# Altium PCB A540R260_Arm600Prototype.PcbDoc (part 1 of 2)
Units mil, origin at the board's own origin, x right, y up, seen from the top; angles counter-clockwise.
Board outline 6306 x 2370 mil, 4 copper layers (Top Layer, 5V, GND, Bottom Layer), stack 68.548 mil thick; 114 components, 208 nets, 616 pads, 195 vias.
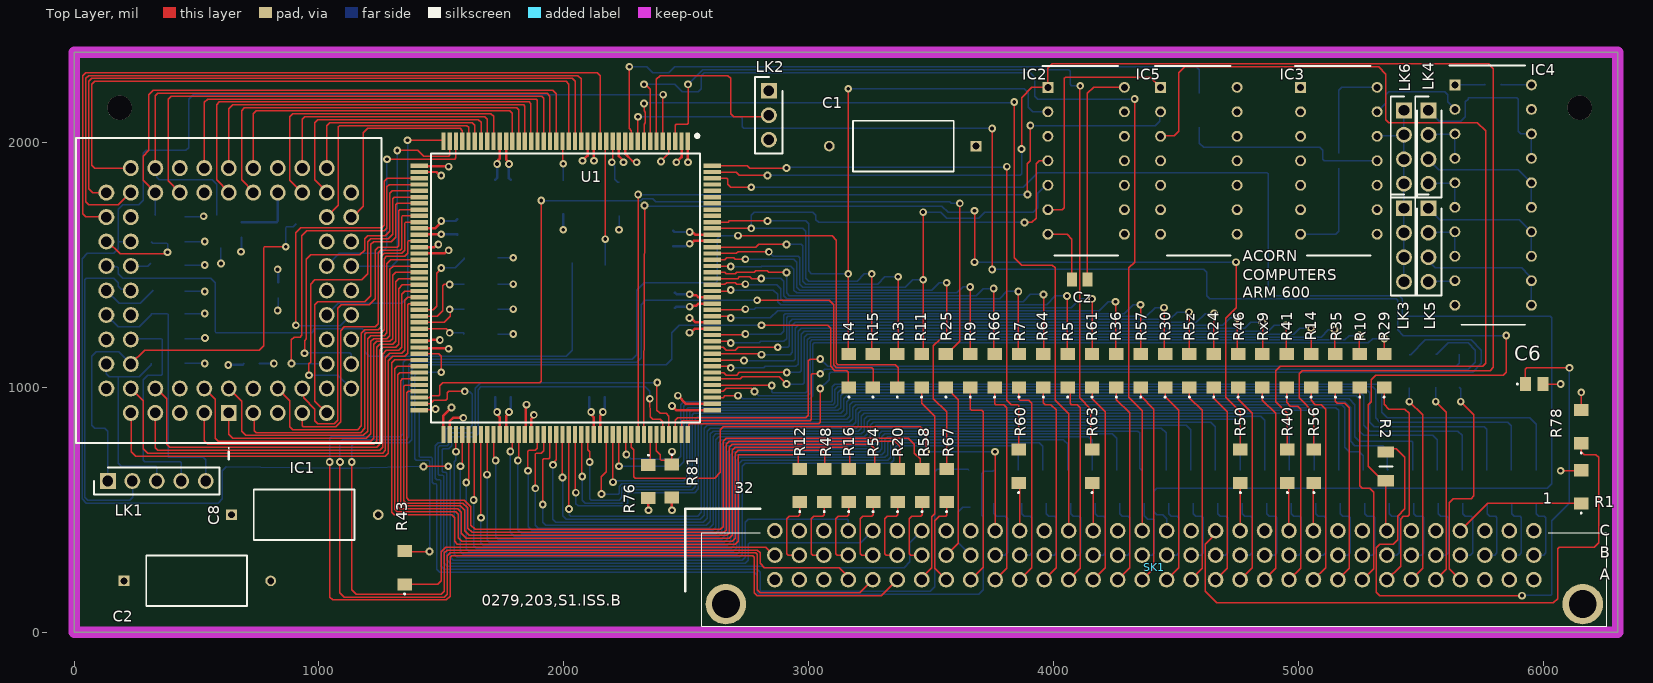
[diagram p0: Top Layer view]
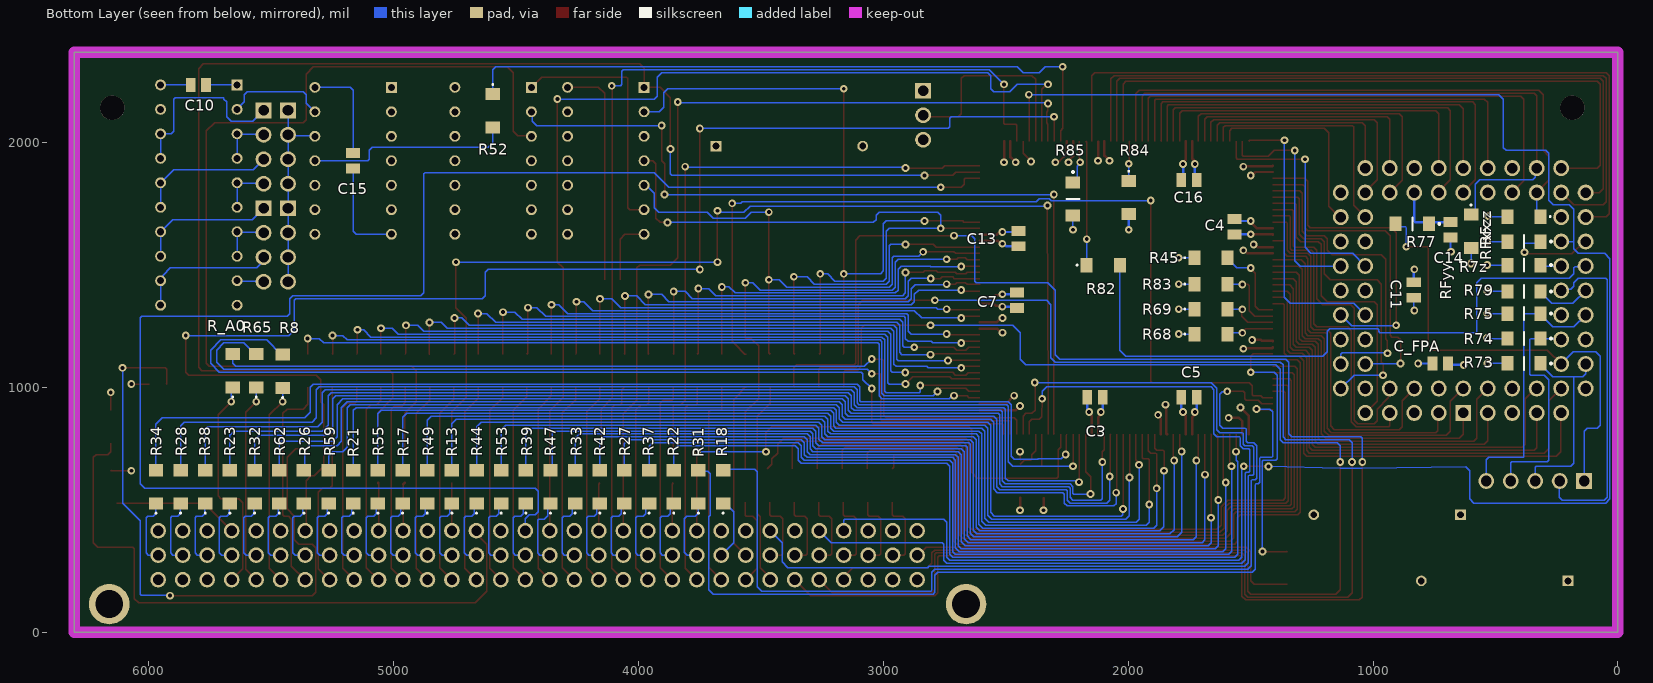
[diagram p1: Bottom Layer view, seen from below]
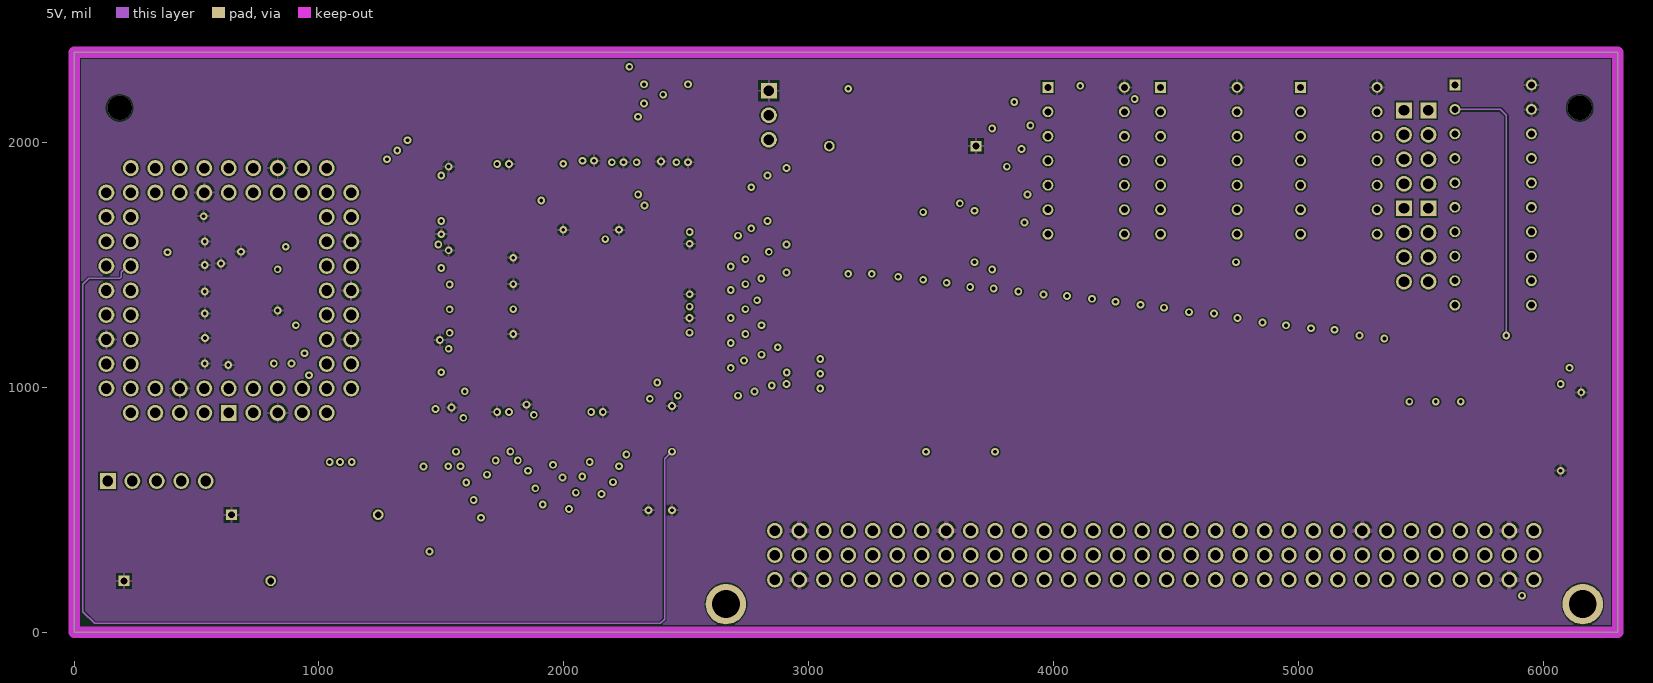
[diagram p2: 5V]
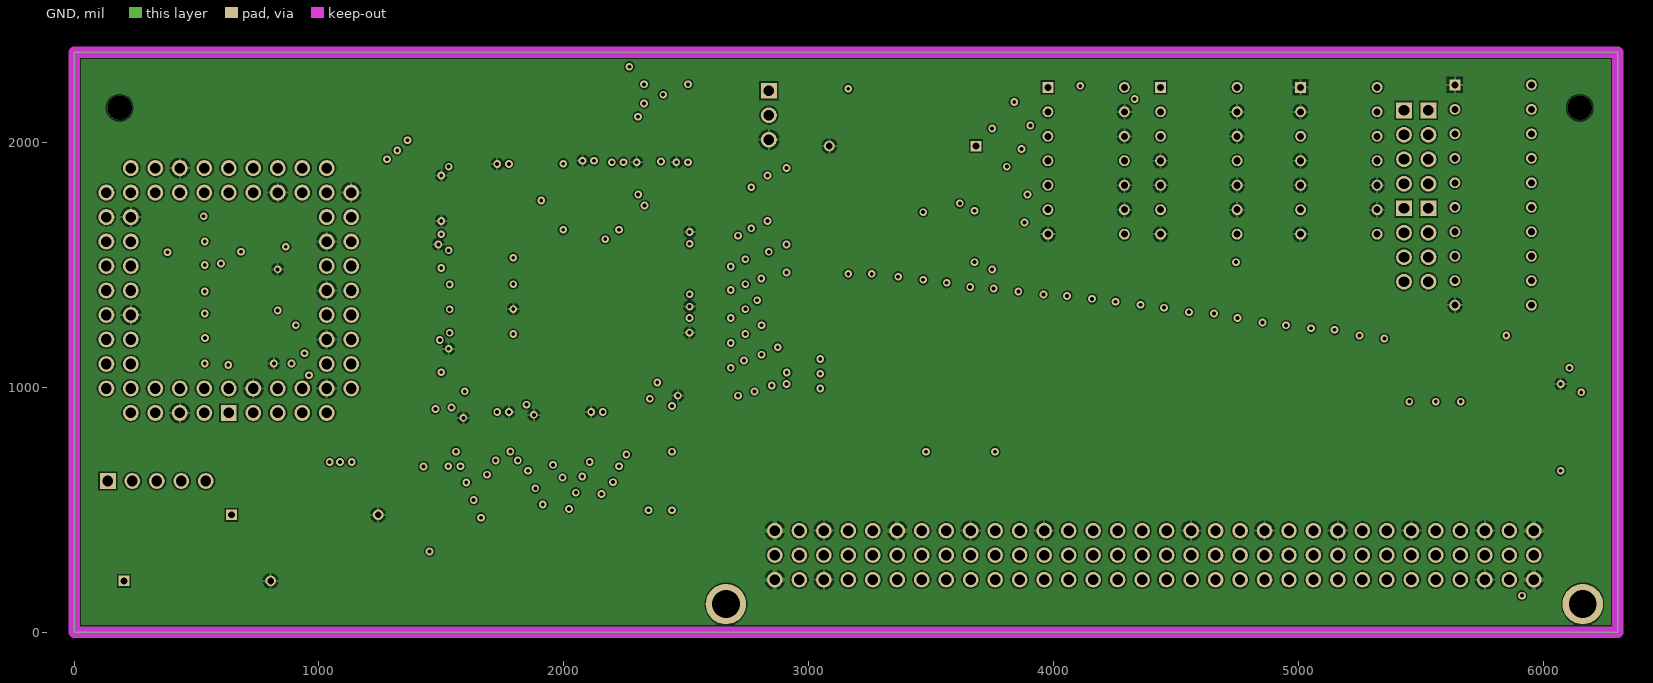
[diagram p3: GND]
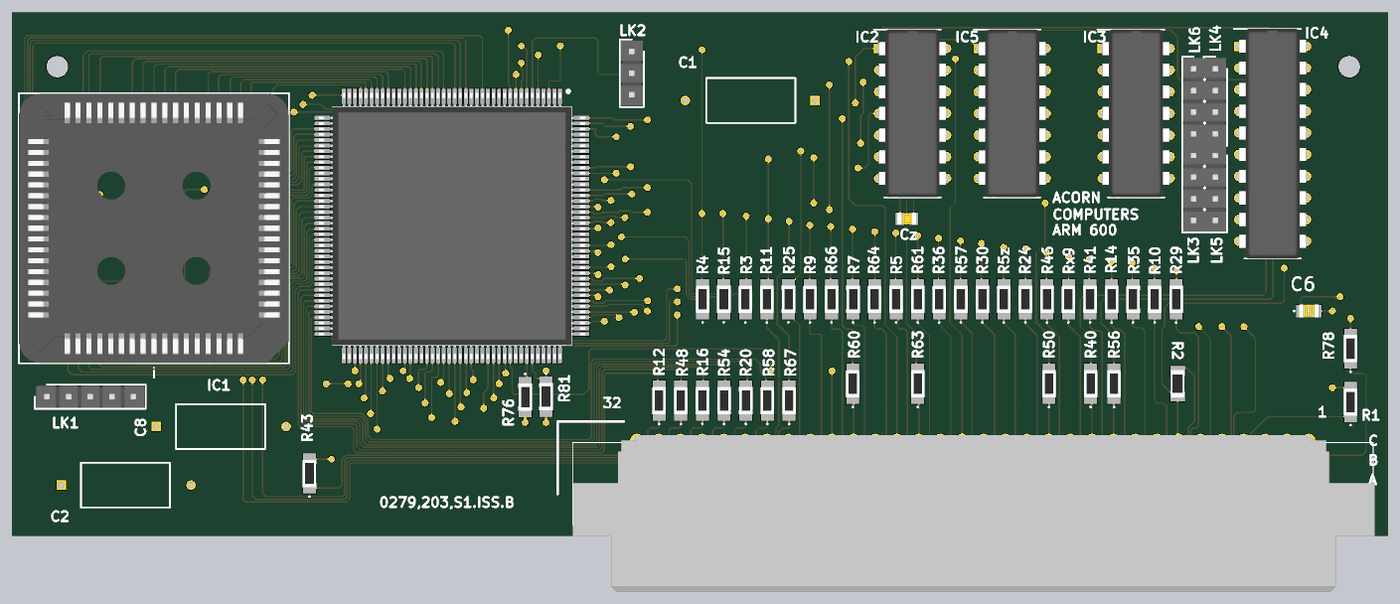
[diagram p5: 3D render of the assembled board from above, using the file's embedded part models]
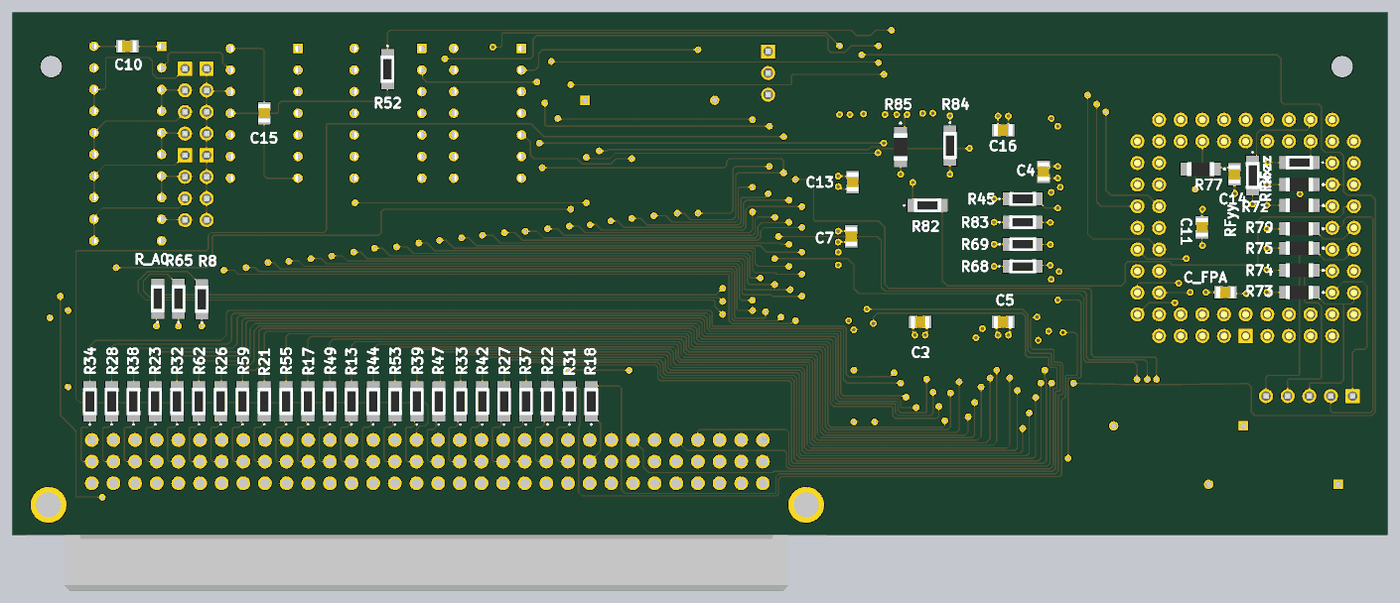
[diagram p6: 3D render of the assembled board from below, using the file's embedded part models]

## Layer stack, top to bottom
Top Solder: solder mask 0.4, Solder Resist, Dk 3.5
Top Layer: signal copper 1.4
Dielectric 1: dielectric 7.874, FR-4, Dk 4.8
5V: signal copper 1.378
Dielectric 2: core 47.2441, PP-006, Dk 4.1
GND: signal copper 1.378
Dielectric2: dielectric 7.874, FR-4, Dk 4.8
Bottom Layer: signal copper 1.4
Bottom Solder: solder mask 0.4, Solder Resist, Dk 3.5

## Board outline
0,2370 0,0 6306,0 6306,2370

## Design rules (kind name [scope] priority, off if disabled: settings)
Clearance [All] p1: gap=6 ignorepadtopadclearanceinfootprint=FALSE
HoleSize [All] p1: absolutevalues=TRUE maxlimit=500 minlimit=1 maxpercent=80.000 minpercent=20.000
HoleToHoleClearance [All] p1: gap=6 allowstackedmicrovias=TRUE
MinimumSolderMaskSliver [All] p1: minsoldermaskwidth=1
PolygonConnect [All] p1: connectstyle=Relief reliefconductorwidth=10 reliefentries=4 polygonreliefangle="90 Angle" airgapwidth=10
RoutingVias [All] p1: holewidth=11.81 width=23.62 viastyle="Through Hole" minholewidth=28 minwidth=50 maxholewidth=28 maxwidth=50
SilkToSilkClearance [All] p1 off: silktosilkclearance=10
SilkToSolderMaskClearance [IsPad] p1: minsilkscreentomaskgap=1 clearancetoexposedcopper=TRUE
SolderMaskExpansion [All] p1: expansion=4 istentingtop=FALSE
SupplyNets "Schematic Supply Nets_2" [InNet('CBE')] p1: voltage=0.000
SupplyNets "Schematic Supply Nets" [InNet('GND')] p2: voltage=0.000
Width [All] p1: maxlimit=10 minlimit=6 preferedwidth=6
25 further rules are at their usual default settings.

## Classes and differential pairs
component class Glue: C10 C15 Cz IC2 IC3 IC4 IC5 LK3 LK4 LK5 LK6 R52
component class Arm600: C3 C4 C5 C6 C7 C13 C16 LK2 R1 R2 R3 R4 R5 R5z R7 R8 R9 R10 R11 R12 R13 R14 R15 R16 R17 R18 R20 R21 R22 R23 R24 R25 R26 R27 R28 R29 R30 R31 R32 R33 R34 R35 R36 R37 R38 R39 R40 R41 R42 R43 R44 R45 R46 R47 R48 R49 R50 R53 R54 R55 R56 R57 R58 R59 R60 R61 R62 R63 R64 R65 R66 R67 R68 R69 R76 R78 R81 R82 R83 R84 R85 R_A0 Rx9 SK1 SK? U1
component class FPA: C1 C2 C8 C11 C14 C_FPA IC1 LK1 R7z R73 R74 R75 R77 R79 RFxx RFyy RFzz

## Components (designator, comment, footprint, x,y, rotation, side; value= is the part's Value field where it differs from the comment)
C1 "47uF 10V" CAPPA3500W50L1400D525 3684,1986 r180 top
C2 "47uF 10V" CAPPA3500W50L1400D525 204,210 r0 top
C3 "100nF 0805" CAPC2012X140N 2136,960 r0 bottom
C4 "100nF 0805" CAPC2012X140N 1566,1656 r270 bottom
C5 "100nF 0805" CAPC2012X140N 1752,960 r180 bottom
C6 "22pF" C0805 5964,1014 r0 top
C7 "100nF 0805" CAPC2012X140N 2454,1356 r90 bottom
C8 "47uF 10V" CAPPA3500W50L1400D525 643,480 r0 top
C10 "100nF 0805" CAPC2012X140N 5798,2236 r0 bottom
C11 "100nF 0805" CAPC2012X140N 834,1398 r270 bottom
C13 "100nF 0805" CAPC2012X140N 2448,1608 r270 bottom
C14 "100nF 0805" CAPC2012X140N 684,1644 r270 bottom
C15 "100nF 0805" CAPC2012X140N 5166,1926 r90 bottom
C16 "100nF 0805" CAPC2012X140N 1752,1848 r0 bottom
C_FPA "100nF 0805" CAPC2012X140N 726,1098 r180 bottom
Cz "100nF 0805" CAPC2012X140N 4107.39,1440.41 r0 top
IC1 "FPA socket" PLCC68ATx 632,896 r180 top locked
IC2 "SN74HC20N" DIP794W53P254L1930H508Q14N 4134,1926 r0 top locked
IC3 "SN74AC86NE4" DIP794W53P254L1930H508Q14N 5166,1926 r0 top locked
IC4 "SN74AC241NE4" DIP794W53P254L2540H508Q20N 5796.3,1786 r0 top locked
IC5 "SN74ACT08N-NG" DIP794W53P254L1930H508Q14N 4594,1926 r0 top locked
LK1 "PREC005SAAN-RC" HDRV5W64P0X254_1X5_1270X254X864P 138,618 r0 top
LK2 "PREC003SAAN-RC" HDRV3W64P0X254_1X3_762X254X868P 2838,2212 r270 top
LK3 "PREC004SAAN-RC" HDRV4W64P0X254_1X4_1016X254X854P 5432,1732 r90 top locked
LK4 "PREC004SAAN-RC" HDRV4W64P0X254_1X4_1016X254X854P 5532,2132 r90 top locked
LK5 "PREC004SAAN-RC" HDRV4W64P0X254_1X4_1016X254X854P 5532,1732 r90 top locked
LK6 "PREC004SAAN-RC" HDRV4W64P0X254_1X4_1016X254X854P 5432,2132 r90 top locked
R1 "10K 1206" ERJUP8 6156,594 r90 top
R2 "100R 1206" RESC3216X70N 5358,678 r90 top
R3 "22R 1206" ERJUP8 3362.43,1068 r90 top
R4 "22R 1206" ERJUP8 3165,1068 r90 top
R5 "22R 1206" ERJUP8 4058.43,1068 r90 top
R5z "22R 1206" ERJUP8 4555.57,1068 r90 top
R7 "22R 1206" ERJUP8 3859.57,1068 r90 top
R7z "4k7 1206" ERJ8ENF1000V 384,1500 r0 bottom
R8 "22R 1206" ERJUP8 5454,1066.09 r90 bottom
R9 "22R 1206" ERJUP8 3660.71,1068 r90 top
R10 "22R 1206" ERJUP8 5251.57,1068 r90 top
R11 "22R 1206" ERJUP8 3461.86,1068 r90 top
R12 "22R 1206" ERJUP8 2964,600 r90 top
R13 "22R 1206" ERJUP8 4762.82,594 r90 bottom
R14 "22R 1206" ERJUP8 5052.71,1068 r90 top
R15 "22R 1206" ERJUP8 3263,1068 r90 top
R16 "22R 1206" ERJUP8 3164,600 r90 top
R17 "22R 1206" ERJUP8 4964.24,594 r90 bottom
R18 "22R 1206" ERJUP8 3655,594 r90 bottom
R20 "22R 1206" ERJUP8 3364,600 r90 top
R21 "22R 1206" ERJUP8 5165.66,594 r90 bottom
R22 "22R 1206" ERJUP8 3856.42,594 r90 bottom
R23 "22R 1206" ERJUP8 5669.21,594 r90 bottom
R24 "22R 1206" ERJUP8 4655,1068 r90 top
R25 "22R 1206" ERJUP8 3561.29,1068 r90 top
R26 "22R 1206" ERJUP8 5367.08,594 r90 bottom
R27 "22R 1206" ERJUP8 4057.84,594 r90 bottom
R28 "22R 1206" ERJUP8 5870.64,594 r90 bottom
R29 "22R 1206" ERJUP8 5351,1068 r90 top
R30 "22R 1206" ERJUP8 4456.14,1068 r90 top
R31 "22R 1206" ERJUP8 3755.71,594 r90 bottom
R32 "22R 1206" ERJUP8 5568.5,594 r90 bottom
R33 "22R 1206" ERJUP8 4259.26,594 r90 bottom
R34 "22R 1206" ERJUP8 5971.35,594 r90 bottom
R35 "22R 1206" ERJUP8 5152.14,1068 r90 top
R36 "22R 1206" ERJUP8 4257.28,1068 r90 top
R37 "22R 1206" ERJUP8 3957.13,594 r90 bottom
R38 "22R 1206" ERJUP8 5769.92,594 r90 bottom
R39 "22R 1206" ERJUP8 4460.69,594 r90 bottom
R40 "22R 1206" ERJUP8 4956,678 r90 top
R41 "22R 1206" ERJUP8 4953.28,1068 r90 top
R42 "22R 1206" ERJUP8 4158.55,594 r90 bottom
R43 "22R 1206" ERJUP8 1350,264 r90 top
R44 "22R 1206" ERJUP8 4662.11,594 r90 bottom
R45 "10K 1206" ERJUP8 1662,1530 r180 bottom
R46 "22R 1206" ERJUP8 4754.43,1068 r90 top
R47 "22R 1206" ERJUP8 4359.97,594 r90 bottom
R48 "22R 1206" ERJUP8 3064,600 r90 top
R49 "22R 1206" ERJUP8 4863.53,594 r90 bottom
R50 "22R 1206" ERJUP8 4764,678 r90 top
R52 "22R 1206" ERJUP8 4596,2130 r270 bottom
R53 "22R 1206" ERJUP8 4561.4,594 r90 bottom
R54 "22R 1206" ERJUP8 3264,600 r90 top
R55 "22R 1206" ERJUP8 5064.95,594 r90 bottom
R56 "22R 1206" ERJUP8 5064,678 r90 top
R57 "22R 1206" ERJUP8 4356.71,1068 r90 top
R58 "22R 1206" ERJUP8 3464,600 r90 top
R59 "22R 1206" ERJUP8 5266.37,594 r90 bottom
R60 "22R 1206" ERJUP8 3858,678 r90 top
R61 "22R 1206" ERJUP8 4157.86,1068 r90 top
R62 "22R 1206" ERJUP8 5467.79,594 r90 bottom
R63 "22R 1206" ERJUP8 4158,678 r90 top
R64 "22R 1206" ERJUP8 3959,1068 r90 top
R65 "22R 1206" ERJUP8 5562,1068 r90 bottom
R66 "22R 1206" ERJUP8 3760.14,1068 r90 top
R67 "22R 1206" ERJUP8 3564,600 r90 top
R68 "10K 1206" ERJUP8 1662,1218 r180 bottom
R69 "10K 1206" ERJUP8 1662,1320 r180 bottom
R73 "4k7 1206" ERJ8ENF1000V 384,1098 r0 bottom
R74 "4k7 1206" ERJ8ENF1000V 384,1200 r0 bottom
R75 "4k7 1206" ERJ8ENF1000V 384,1302 r0 bottom
R76 "10K 1206" ERJUP8 2346,616.09 r270 top
R77 "4k7 1206" ERJ8ENF1000V 840,1668 r0 bottom
R78 "10K 1206" ERJUP8 6156,840 r90 top
R79 "4k7 1206" ERJ8ENF1000V 384,1392 r0 bottom
R81 "10K 1206" ERJUP8 2442,618 r270 top
R82 "22R 1206" ERJUP8 2101.91,1500 r180 bottom
R83 "10K 1206" ERJUP8 1662,1422 r180 bottom
R84 "10K 1206" ERJUP8 1998,1776 r270 bottom
R85 "4k7 1206" ERJ8ENF1000V 2226,1770 r270 bottom
R_A0 "22R 1206" ERJUP8 5658,1068 r90 bottom
RFxx "4k7 1206" ERJ8ENF1000V 384,1596 r0 bottom
RFyy "10K 1206" ERJUP8 600,1638 r270 bottom
RFzz "10K 1206" ERJUP8 384,1698 r0 bottom
Rx9 "22R 1206" ERJUP8 4853.86,1068 r90 top
SK1 "5650461-4 / 5650895-4" 56504614 5962.4,215 r0 top locked
U1 "Arm600" QFP65P3120X3120X385-160N 2007.8,1406.57 r270 top locked

## Footprints (in the part's own frame and the unit in brackets; to place one, negate y for a bottom-side part, rotate by r counter-clockwise, add the part's x,y. Pads: shape width x height; smd on the part's side, far side on the other; paste and mask are expansions set on the pad)
56504614 [mm]
  round 1.62 hole 1.08: A1(0,0) A2(-2.54,0) A3(-5.08,0) A4(-7.62,0) A5(-10.16,0) A6(-12.7,0) A7(-15.24,0) A8(-17.78,0) A9(-20.32,0) A10(-22.86,0) A11(-25.4,0) A12(-27.94,0) A13(-30.48,0) A14(-33.02,0) A15(-35.56,0) A16(-38.1,0) A17(-40.64,0) A18(-43.18,0) A19(-45.72,0) A20(-48.26,0) A21(-50.8,0) A22(-53.34,0) A23(-55.88,0) A24(-58.42,0) A25(-60.96,0) A26(-63.5,0) A27(-66.04,0) A28(-68.58,0) A29(-71.12,0) A30(-73.66,0) A31(-76.2,0) A32(-78.74,0) B1(0,2.54) B2(-2.54,2.54) B3(-5.08,2.54) B4(-7.62,2.54) B5(-10.16,2.54) B6(-12.7,2.54) B7(-15.24,2.54) B8(-17.78,2.54) B9(-20.32,2.54) B10(-22.86,2.54) B11(-25.4,2.54) B12(-27.94,2.54) B13(-30.48,2.54) B14(-33.02,2.54) B15(-35.56,2.54) B16(-38.1,2.54) B17(-40.64,2.54) B18(-43.18,2.54) B19(-45.72,2.54) B20(-48.26,2.54) B21(-50.8,2.54) B22(-53.34,2.54) B23(-55.88,2.54) B24(-58.42,2.54) B25(-60.96,2.54) B26(-63.5,2.54) B27(-66.04,2.54) B28(-68.58,2.54) B29(-71.12,2.54) B30(-73.66,2.54) B31(-76.2,2.54) B32(-78.74,2.54) C1(0,5.08) C2(-2.54,5.08) C3(-5.08,5.08) C4(-7.62,5.08) C5(-10.16,5.08) C6(-12.7,5.08) C7(-15.24,5.08) C8(-17.78,5.08) C9(-20.32,5.08) C10(-22.86,5.08) C11(-25.4,5.08) C12(-27.94,5.08) C13(-30.48,5.08) C14(-33.02,5.08) C15(-35.56,5.08) C16(-38.1,5.08) C17(-40.64,5.08) C18(-43.18,5.08) C19(-45.72,5.08) C20(-48.26,5.08) C21(-50.8,5.08) C22(-53.34,5.08) C23(-55.88,5.08) C24(-58.42,5.08) C25(-60.96,5.08) C26(-63.5,5.08) C27(-66.04,5.08) C28(-68.58,5.08) C29(-71.12,5.08) C30(-73.66,5.08) C31(-76.2,5.08) C32(-78.74,5.08)
  round 4.2 hole 2.89: MH1(5.08,-2.54) MH2(-83.82,-2.54)
  silkscreen extent -86.31,-4.83 7.57,4.88, body extent -86.26,-12.61 7.72,5.75, height 9.21
C0805 [mm]
  rect 1.15x1.45 smd: 1(-0.9,0) 2(0.9,0)
  silkscreen extent -1.8,-0.05 -1.7,0.05, body extent -1.15,-0.78 1.15,0.77, height 0.98
CAPC2012X140N [mm]
  rect 1.02x1.47 smd: 1(-0.8,0) 2(0.8,0)
  body extent -1.1,-0.7 1.1,0.7, height 1.45
CAPPA3500W50L1400D525 [mm]
  rect 1.1x1.1 hole 0.7: 1(0,0)
  round 1.1 hole 0.7: 2(15.215,0)
  silkscreen extent 2.31,-2.63 12.75,2.63, body extent 2.52,-3.15 12.52,2.85, height 6
DIP794W53P254L1930H508Q14N [mm]
  rect 1.13x1.13 hole 0.73: 1(-3.97,7.62)
  round 1.13 hole 0.73: 2(-3.97,5.08) 3(-3.97,2.54) 4(-3.97,0) 5(-3.97,-2.54) 6(-3.97,-5.08) 7(-3.97,-7.62) 8(3.97,-7.62) 9(3.97,-5.08) 10(3.97,-2.54) 11(3.97,0) 12(3.97,2.54) 13(3.97,5.08) 14(3.97,7.62)
  silkscreen extent -4.53,-9.84 3.3,9.84, body extent -3.94,-9.84 3.94,9.84, height 5.27
DIP794W53P254L2540H508Q20N [mm]
  rect 1.13x1.13 hole 0.73: 1(-3.97,11.43)
  round 1.13 hole 0.73: 2(-3.97,8.89) 3(-3.97,6.35) 4(-3.97,3.81) 5(-3.97,1.27) 6(-3.97,-1.27) 7(-3.97,-3.81) 8(-3.97,-6.35) 9(-3.97,-8.89) 10(-3.97,-11.43) 11(3.97,-11.43) 12(3.97,-8.89) 13(3.97,-6.35) 14(3.97,-3.81) 15(3.97,-1.27) 16(3.97,1.27) 17(3.97,3.81) 18(3.97,6.35) 19(3.97,8.89) 20(3.97,11.43)
  silkscreen extent -4.53,-13.46 3.3,13.46, body extent -3.94,-13.46 3.94,13.46, height 5.09
ERJ8ENF1000V [mm]
  rect 1.25x1.5 smd: 1(-1.725,0) 2(1.725,0)
  silkscreen extent -2.9,-0.67 0,0.67, body extent -1.6,-0.8 1.6,0.8, height 0.6
ERJUP8 [mm]
  rect 1.25x1.5 smd: 1(-1.725,0) 2(1.725,0)
  silkscreen extent -2.77,-0.05 -2.68,0.05, body extent -1.6,-0.8 1.6,0.8, height 0.6
HDRV3W64P0X254_1X3_762X254X868P [mm]
  rect 1.65x1.65 hole 1.1: 1(0,0)
  round 1.65 hole 1.1: 2(2.54,0) 3(5.08,0)
  silkscreen extent -1.42,-1.42 6.5,1.42, body extent -1.27,-1.27 6.35,1.27, height 8.68
HDRV4W64P0X254_1X4_1016X254X854P [mm]
  rect 1.65x1.65 hole 1.1: 1(0,0)
  round 1.65 hole 1.1: 2(-2.54,0) 3(-5.08,0) 4(-7.62,0)
  silkscreen extent -9.04,-1.37 1.42,1.37, body extent -8.89,-1.27 1.27,1.27, height 8.54
HDRV5W64P0X254_1X5_1270X254X864P [mm]
  rect 1.65x1.65 hole 1.1: 1(0,0)
  round 1.65 hole 1.1: 2(2.54,0) 3(5.08,0) 4(7.62,0) 5(10.16,0)
  silkscreen extent -1.42,-1.42 11.58,1.42, body extent -1.27,-1.27 11.43,1.27, height 8.64
PLCC68ATx [mm]
  rect 1.65x1.65 hole 1.1: 1(0,0)
  round 1.65 hole 1.1: 2(0,-2.54) 3(-2.54,0) 4(-2.54,-2.54) 5(-5.08,0) 6(-5.08,-2.54) 7(-7.62,0) 8(-7.62,-2.54) 9(-10.16,0) 10(-12.7,-2.54) 11(-10.16,-2.54) 12(-12.7,-5.08) 13(-10.16,-5.08) 14(-12.7,-7.62) 15(-10.16,-7.62) 16(-12.7,-10.16) 17(-10.16,-10.16) 18(-12.7,-12.7) 19(-10.16,-12.7) 20(-12.7,-15.24) 21(-10.16,-15.24) 22(-12.7,-17.78) 23(-10.16,-17.78) 24(-12.7,-20.32) 25(-10.16,-20.32) 26(-12.7,-22.86) 27(-10.16,-25.4) 28(-10.16,-22.86) 29(-7.62,-25.4) 30(-7.62,-22.86) 31(-5.08,-25.4) 32(-5.08,-22.86) 33(-2.54,-25.4) 34(-2.54,-22.86) 35(0,-25.4) 36(0,-22.86) 37(2.54,-25.4) 38(2.54,-22.86) 39(5.08,-25.4) 40(5.08,-22.86) 41(7.62,-25.4) 42(7.62,-22.86) 43(10.16,-25.4) 44(12.7,-22.86) 45(10.16,-22.86) 46(12.7,-20.32) 47(10.16,-20.32) 48(12.7,-17.78) 49(10.16,-17.78) 50(12.7,-15.24) 51(10.16,-15.24) 52(12.7,-12.7) 53(10.16,-12.7) 54(12.7,-10.16) 55(10.16,-10.16) 56(12.7,-7.62) 57(10.16,-7.62) 58(12.7,-5.08) 59(10.16,-5.08) 60(12.7,-2.54) 61(10.16,0) 62(10.16,-2.54) 63(7.62,0) 64(7.62,-2.54) 65(5.08,0) 66(5.08,-2.54) 67(2.54,0) 68(2.54,-2.54)